# Altium PCB MB1019.PcbDoc (part 4 of 4)
Units mil, origin at the board's own origin, x right, y up, seen from the top; angles counter-clockwise.
Board outline 4655 x 6805 mil, 4 copper layers (TopLayer, VCC, GND, BottomLayer), stack 26.137 mil thick; 557 components, 425 nets, 1918 pads, 817 vias.
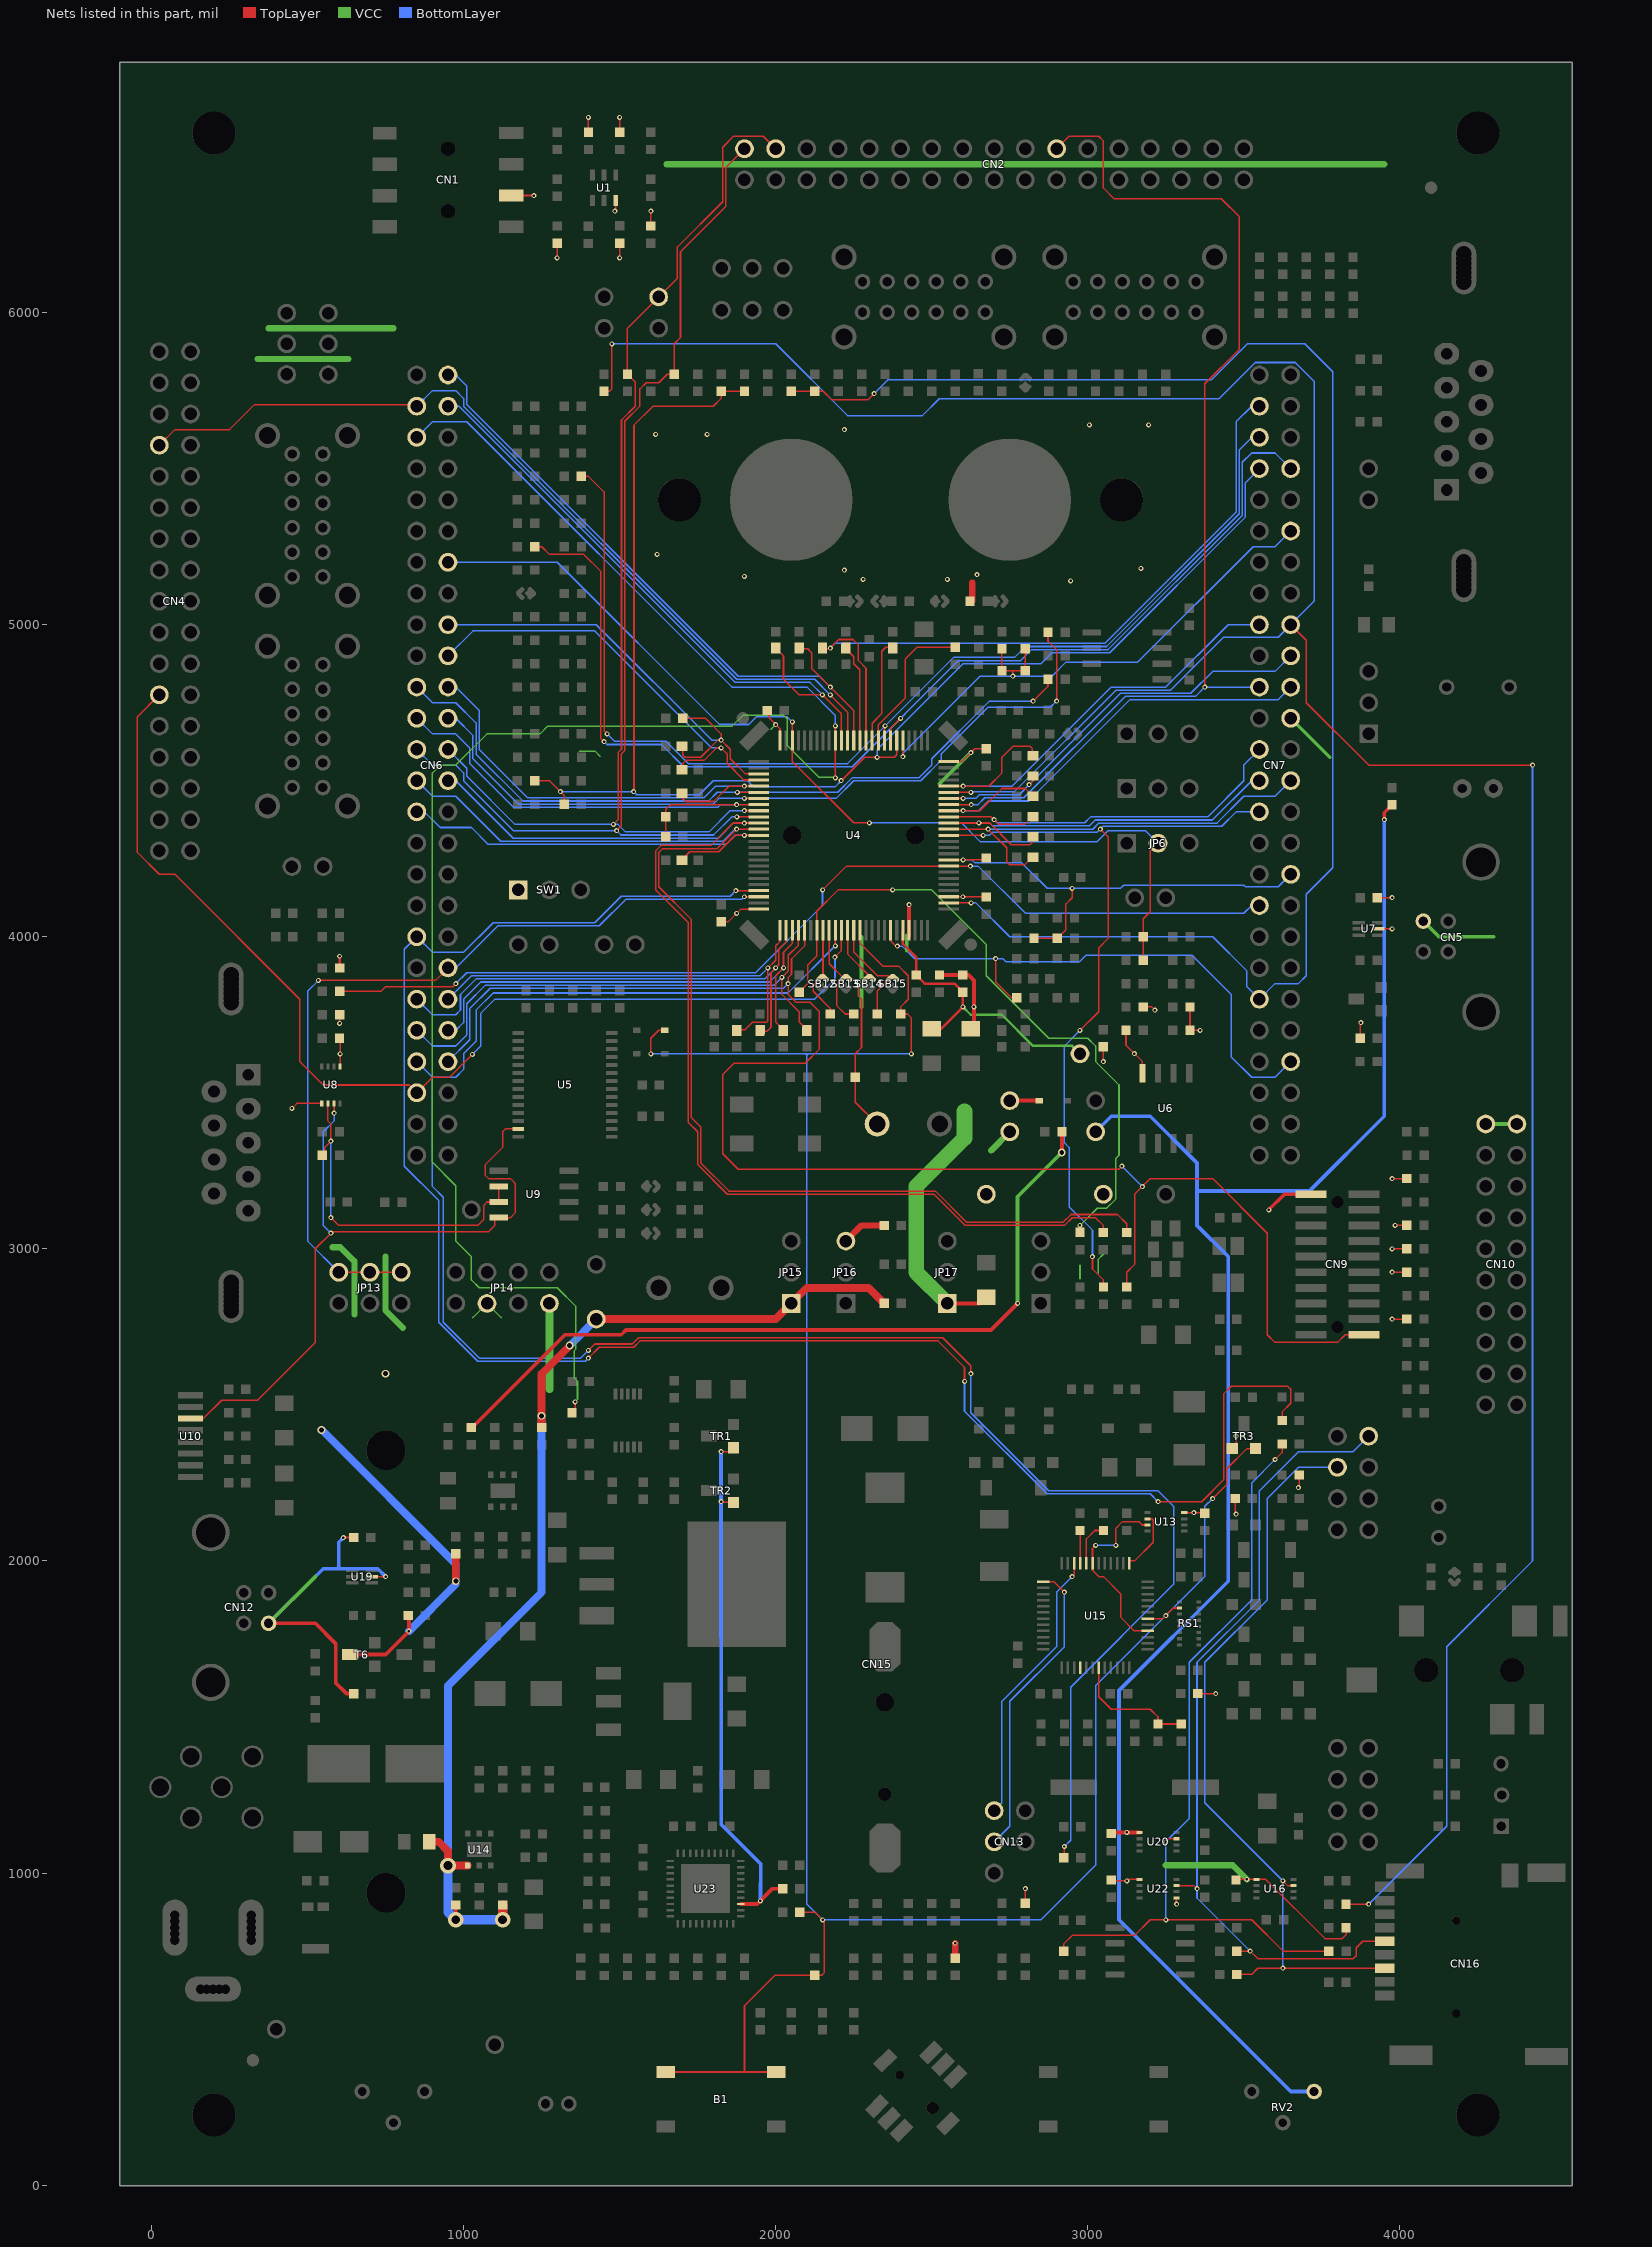
[diagram p6: the nets of this part, all layers, seen from the top]

## Via types
v1: diameter 16, hole 8, TopLayer to BottomLayer, tented both sides, 770 vias
v2: diameter 16, hole 8, TopLayer to BottomLayer, 26 vias
v3: diameter 25, hole 16, TopLayer to BottomLayer, tented both sides, 17 vias
v4: diameter 50, hole 28, TopLayer to BottomLayer, tented both sides, 4 vias

## Nets (pads, with @x,y where several pads share a name; then routed paths per layer and width w, separated by ;. In a path a pad name is that pad's centre, name@x,y a point inside that pad or via, vN(x,y) a via of type N, cw(c..) or ccw(c..) an arc to the next point about the centre after c; other vN are vias at no path point) (continued)
PC4: CN7.35 R177.2 U4.33 | length 3216.3
  TopLayer w5: R177.2@602.5,3825 735,3825 750,3840 965,3840 v1(975,3850) ; v1(2150,4150) 2226.58,4226.58 v1(2623.42,4226.58)
  BottomLayer w5: v1(975,3850) 1010,3885 1935,3885 2150,4100 v1(2150,4150) ; v1(2623.42,4226.58) 2648.42,4226.58 2800,4075 3500,4075 3525,4100 CN7.35@3550,4100
PC5: C33.2 CN7.34 R117.2 R118.2 U4.34 | length 1484.5
  TopLayer w5: U4.34@2554.13,4246.26 C33.2@2673.74,4246.26 ; R117.2@2827.5,3995 2902.5,3995 2930,4022.5 2930,4105 2950,4125 v1(2950,4155)
  BottomLayer w5: v1(2600.32,4246.26) 2628.74,4246.26 2638.42,4236.58 2788.42,4236.58 2870,4155 3105,4155 3115,4165 3500,4165 3505,4160 3610,4160 CN7.34@3650,4200
PC6: CN6.2 R47.2 R48.2 U4.63 | length 2056.3
  TopLayer w5: R48.2@2075,4922.5 2102.5,4922.5 2115,4910 2115,4860 2250,4725 U4.63@2250,4629.13
  BottomLayer w5: CN6.2@950,5800 975,5800 1010,5765 1010,5705 1880,4835 2140,4835 v1(2175,4800)
PC7: CN4.7 CN6.3 U4.64 | length 2796.8
  TopLayer w5: CN4.7@25,5575 75,5625 250,5625 330,5705 CN6.3@835,5705 ; v1(2175.14,4774.86) 2230.31,4719.69 U4.64@2230.31,4629.13
  BottomLayer w5: CN6.3@850,5700 900,5750 975,5750 1000,5725 1000,5700 1875,4825 2125,4825 v1(2175.14,4774.86)
PC8: CN6.4 R49.2 R50.2 U4.65 | length 2012.4
  TopLayer w5: R50.2@2000,4927.5 2000,4925 2025,4900 2025,4825 2075,4775 2149.73,4775 v1(2149.87,4775.13) ; v1@2150,4775 2210.63,4714.37 U4.65@2210.63,4629.13
  BottomLayer w5: CN6.4@950,5700 985,5700 1870,4815 2110,4815 v1(2149.87,4775.13)
PC9: CN6.5 R247.2 U4.66 | length 5848
  TopLayer w5: R247.2@1355,2475 1357.5,2477.5 v1(1357.5,2510) ; v1@2190.94,4510.94 v1(2190.94,4675.31)
  VCC w5: v1(1357.5,2510) 1365,2517.5 1365,2575 1355,2585 1355,2673.91 1360,2678.91 1360,2815 1300,2875 1050,2875 1025,2900 1025,2975 975,3025 975,3202.31 900,3277.31 900,4525 925,4550 975,4550 1075,4650 1245,4650 1270,4675 1860,4675 1895,4710 2025,4710 2036.85,4698.15 2036.85,4613.15 2139.06,4510.94 2190.94,4510.94 v1@2190,4510
  BottomLayer w5: CN6.5@850,5600 900,5650 1010,5650 1860,4800 2100,4800 2190.94,4709.06 v1(2190.94,4675.31)
  other v1: 1357.5,2510 2190.94,4509
PC10: CN6.18 R51.2 R52.2 R129.2 U4.78 | length 1550.6
  TopLayer w5: R52.2@1702.5,4610 1702.5,4582.5 1710,4575 1760,4575 1815,4630 v1(1825,4630) ; R129.2@1702.5,4700 1775,4700 1825,4650 v1(1825,4630) ; U4.78@1945.87,4521.85 1903.15,4521.85 1854.38,4570.62 1854.38,4600.62 v1(1825,4630)
  BottomLayer w5: CN6.18@950,5000 1425,5000 1795,4630 v1(1825,4630)
PC11: CN6.20 R53.2 R54.2 U4.79 | length 1407.7
  TopLayer w5: R54.2@1702.5,4535 1702.5,4555 1712.5,4565 1770,4565 1810,4605 v1(1825,4605) 1844.38,4585.62 1844.38,4555.62 1897.84,4502.17 U4.79@1945.87,4502.17
  BottomLayer w5: CN6.20@950,4900 1030,4980 1420,4980 1795,4605 v1(1825,4605)
PC12: CN6.22 R55.2 R56.2 U4.80 | length 1470.7
  TopLayer w5: R56.2@1702.5,4460 1702.5,4442.5 1711.57,4433.42 1800.94,4433.42 1850,4482.48 U4.80@1945.87,4482.48
  BottomLayer w5: CN6.22@950,4800 975,4800 1050,4725 1050,4600 1205,4445 1770,4445 1807.48,4482.48 v1(1900,4482.48)
PC13: R187.1 R308.2 U4.7 | length 2170.2
  TopLayer w5: R187.1@2075,3822.5 R187.1@2075,3825 ; R187.1@2075.16,3822.62 2103.26,3850.72 2103.26,3910 2131.89,3938.63 2131.89,4081.89 2200,4150 v1(2375,4150) ; R308.2@2975,3052.5 v1(2975,3075)
  VCC w5: v1(2375,4150) 2500,4150 2675,3975 2675,3875 2875,3675 3000,3675 3025,3650 3025,3600 3100,3525 3100,3300 3090,3290 3090,3160 3060,3130 3030,3130 v1(2975,3075)
PC14: R196.2 SB12.1 U4.8 | length 304.2
  TopLayer w5: U4.8@2151.57,4020.87 2151.57,3874.43 2120,3842.85 2120,3825 2175,3770 R196.2@2175,3752.5
PC15: R197.2 SB13.1 U4.9 | length 335.3
  TopLayer w5: U4.9@2171.26,4020.87 2171.26,3913.74 SB13.1@2217,3868 2195,3846 2195,3780 2222.5,3752.5 R197.2@2250,3752.5
PD0: CN6.21 R124.1 U4.81 | length 2487.4
  TopLayer w5: v1(1877.2,4462.8) U4.81@1945.87,4462.8 ; v1(2825,4755) 2872.5,4802.5 R124.1@2872.5,4825
  BottomLayer w5: CN6.21@850,4800 900,4750 975,4750 1040,4685 1040,4585 1190,4435 1785,4435 1812.8,4462.8 2198.65,4462.8 2245.86,4510 2460,4510 2500,4550 2500,4570 2685,4755 v1(2825,4755)
PD1: CN6.24 R105.2 U4.82 | length 2533.5
  TopLayer w5: v1(1900,4443.11) U4.82@1945.87,4443.11 ; R105.2@2872.5,4975 2872.5,4947.5 2900,4920 v1(2900,4755)
  BottomLayer w5: CN6.24@950,4700 975,4700 1030,4645 1030,4570 1175,4425 1800,4425 1818.11,4443.11 2193.11,4443.11 2250,4500 2465,4500 2530,4565 2530,4585 2680,4735 2880,4735 v1(2900,4755)
PD2: CN6.23 R153.1 R165.1 U4.83 | length 1573.3
  TopLayer w5: R165.1@1647.5,4315 1647.5,4407.5 1663.43,4423.42 U4.83@1945.87,4423.42
  BottomLayer w5: CN6.23@850,4700 900,4650 975,4650 1020,4605 1020,4555 1160,4415 1815,4415 1823.43,4423.42 v1(1875,4423.42)
PD3: C10.2 CN2.31 CN6.26 JP2.1 U4.84 | length 3684.7
  TopLayer w5: v1(1480,4360) 1495,4375 1495,4590 1506,4601 1506,5656 1550,5700 1550,5777.5 C10.2@1525,5802.5 1525,5950 1685,6110 1685,6210 1830,6355 1830,6530 1865,6565 1960,6565 CN2.31@2000,6525 ; v1(1900,4403.74) U4.84@1945.87,4403.74
  BottomLayer w5: CN6.26@950,4600 1010,4540 1010,4515 1165,4360 1495,4360 1519.06,4335.94 1785.94,4335.94 1853.74,4403.74 v1(1900,4403.74)
PD4: C12.2 CN2.33 CN6.25 U4.85 | length 3639.5
  TopLayer w5: v1(1490,4340) 1505,4355 1505,4585.86 1516,4596.86 1516,5651.86 1565,5700.86 1565,5755 1585,5775 1625,5775 1652.5,5802.5 C12.2@1675,5802.5 1675,5900 1695,5920 1695,6195 1840,6340 1840,6465 CN2.33@1900,6525 ; v1(1875.94,4384.06) U4.85@1945.87,4384.06
  BottomLayer w5: CN6.25@850,4600 900,4550 975,4550 1000,4525 1000,4500 1160,4340 v1(1490,4340) 1504.06,4325.94 1800.94,4325.94 1859.06,4384.06 v1(1875.94,4384.06)
PD5: CN6.28 R22.1 U4.86 | length 3899.1
  TopLayer w5: U4.86@1945.87,4364.37 1864.37,4364.37 1792.5,4292.5 1632.5,4292.5 1615,4275 1615,4150.71 1720,4045.71 1720,3405 1750,3375 1750,3270 1845,3175 2507.57,3175 2607.57,3075 2925,3075 2950,3100 3025,3100 3050,3075 R22.1@3050,3052.5
  BottomLayer w5: CN6.28@950,4500 975,4500 1159.06,4315.94 1815.94,4315.94 1864.37,4364.37 v1(1900,4364.37)
PD6: CN6.27 R12.1 U4.87 | length 4017.8
  TopLayer w5: U4.87@1945.87,4344.68 v1(1874.69,4344.68) 1812.5,4282.5 1637.5,4282.5 1625,4270 1625,4160 1730,4055 1730,3420 1760,3390 1760,3275 1850,3185 2511.72,3185 2611.72,3085 2920.86,3085 2945.86,3110 3095,3110 3125,3080 R12.1@3125,3052.5
  BottomLayer w5: CN6.27@850,4500 900,4450 975,4450 1119.06,4305.94 1830.94,4305.94 1869.69,4344.68 v1(1874.69,4344.68)
PD7: CN6.29 R57.2 R58.2 U4.88 | length 1379.6
  TopLayer w5: R58.2@1702.5,4250 1725,4272.5 1817.5,4272.5 1870,4325 U4.88@1945.87,4325
  BottomLayer w5: CN6.29@850,4400 875,4400 925,4350 1025,4350 1079.06,4295.94 1840.94,4295.94 1870,4325 v1(1900,4325)
PD8: C22.2 C23.2 CN7.12 R119.1 R123.1 U4.55 | length 1835.3
  TopLayer w5: v1(2407.48,4577.52) U4.55@2407.48,4629.13 ; R123.1@2722.5,4925 2725,4922.5 C22.2@2725,4852.5 C23.2@2800,4852.5 R119.1@2800,4922.5 ; v1(2760,4835) 2760,4852.5
  BottomLayer w5: v1(2407.48,4577.52) 2407.48,4587.48 2655,4835 2885,4835 2930,4880 3160,4880 3530,5250 3600,5250 CN7.12@3650,5300
PD9: C7.2 C26.2 CN7.7 R80.1 R146.1 U4.56 | length 4615.1
  TopLayer w5: R146.1@1227.5,4497.5 1227.5,4500 1275,4500 1322.5,4452.5 C26.2@1322.5,4425 ; v1@1546,4466 1546,5639.43 1606.57,5700 1800,5700 1825,5725 C7.2@1825,5747.5 R80.1@1900,5747.5 ; v1(2210,4500) 2285,4575 2380,4575 2387.79,4582.79 U4.56@2387.79,4629.13
  BottomLayer w5: v1(1310,4465) v1(1545,4465) 1555,4455 1755,4455 1800,4500 1910,4500 1930,4480 2190,4480 v1(2210,4500) ; v1(2325,4575) 2325,4600 2600,4875 2850,4875 2885,4910 3070,4910 3505,5345 3505,5455 CN7.7@3550,5500
PD10: CN7.8 R100.1 U4.57 | length 3648.6
  TopLayer w5: R100.1@1227.5,5250 1250,5250 1275,5225 1385,5225 1440,5170 1440,4635 v1(1450,4625) ; U4.57@2368.11,4629.13 2368.11,4668.11 v1(2400,4700)
  BottomLayer w5: v1(1450,4625) 1459.11,4615.89 1634.11,4615.89 1705,4545 2245,4545 2585,4885 2785,4885 2820,4920 3065,4920 3495,5350 3495,5520 3525,5550 3600,5550 CN7.8@3650,5500
PD11: CN7.5 R92.1 U4.58 | length 3601.6
  TopLayer w5: R92.1@1377.5,5475 1400,5475 1450,5425 1450,4660 v1(1460,4650) ; U4.58@2348.42,4629.13 2348.42,4673.42 v1(2350.29,4675.29)
  BottomLayer w5: v1(1460,4650) 1484.11,4625.89 1649.11,4625.89 1720,4555 2230,4555 2570,4895 2765,4895 2800,4930 3060,4930 3485,5355 3485,5560 3525,5600 CN7.5@3550,5600
PD12: R39.2 R40.2 U4.59 | length 472.1
  TopLayer w5: U4.59@2328.74,4629.13 2328.74,4678.74 2415,4765 2415,4890 2452.5,4927.5 R40.2@2575,4927.5
PD13: R41.2 R42.2 U4.60 | length 338.9
  TopLayer w5: U4.60@2309.05,4629.13 2309.05,4684.05 2340,4715 2340,4915 2352.5,4927.5 R42.2@2375,4927.5
PD14: CN7.3 R45.2 R46.2 U4.61 | length 2316.4
  TopLayer w5: R46.2@2150,4922.5 2172.5,4922.5 2202.38,4952.38 2247.62,4952.38 2265,4935 2265,4885 2289.37,4860.63 U4.61@2289.37,4629.13
  BottomLayer w5: v1(2175,4925) 2190,4940 3055,4940 3475,5360 3475,5650 3525,5700 CN7.3@3550,5700
PD15: R43.2 R44.2 U4.62 | length 311.9
  TopLayer w5: R44.2@2225,4922.5 2250,4897.5 2250,4875 2269.68,4855.32 U4.62@2269.68,4629.13
PE0: CN6.37 R250.1 U4.97 | length 6029.6
  TopLayer w5: v1(1400,2650) 1435,2685 1545,2685 1565,2705 2520,2705 2605,2620 v1(2605,2575) ; v1(1872.16,4147.83) U4.97@1945.87,4147.83 ; v1(3225,2190) 3365,2190 3435,2260 3435,2535 3460,2560 3640,2560 3650,2550 3650,2505 3622.5,2477.5 R250.1@3622.5,2450
  BottomLayer w5: v1(1400,2650) 1390,2640 1045,2640 920,2765 920,3155 810,3265 810,3960 CN6.37@850,4000 900,3950 1000,3950 1095,4045 1420,4045 1505,4130 1854.33,4130 v1(1872.16,4147.83) ; v1(2605,2575) 2605,2480 2870,2215 3200,2215 v1(3225,2190)
PE1: CN6.40 JP13.2 JP13.4 JP13.6 U4.98 | length 2715.5
  TopLayer w5: v1(535,3860) 910,3860 CN6.40@950,3900 ; JP13.2@600,2925 JP13.6@800,2925 ; v1(1899.69,4128.15) U4.98@1945.87,4128.15
  BottomLayer w5: v1(535,3860) 500,3825 500,3025 JP13.2@600,2925 ; CN6.40@950,3900 975,3900 1110,4035 1435,4035 1520,4120 1891.53,4120 v1(1899.69,4128.15) v1@1897.84,4130
PE2: CN6.42 R1.2 R2.2 U4.1 | length 1484.7
  TopLayer w5: R2.2@1875,3702.5 1902.5,3702.5 1926.5,3726.5 1971.5,3726.5 1975,3730 v1(1975,3900) 2000,3925 2000,3971.22 2013.78,3985 U4.1@2013.78,4020.87
  BottomLayer w5: CN6.42@950,3800 1025,3875 1950,3875 v1(1975,3900)
PE3: CN6.41 R3.2 R4.2 U4.2 | length 1633.3
  TopLayer w5: R4.2@1950,3697.5 1972.5,3697.5 1985,3710 1985,3885 2010,3910 2010,3960 2033.46,3983.46 U4.2@2033.46,4020.87
  BottomLayer w5: CN6.41@850,3800 900,3750 975,3750 990,3765 990,3815 1040,3865 1965,3865 v1(2000,3900)
PE4: CN6.44 R5.2 R6.2 U4.3 | length 1552.1
  TopLayer w5: R6.2@2024,3702.5 2000,3726.5 2000,3875 v1(2025,3900) 2025,3950 2053.15,3978.15 U4.3@2053.15,4020.87
  BottomLayer w5: CN6.44@950,3700 975,3700 1000,3725 1000,3800 1055,3855 1980,3855 v1(2025,3900)
PE5: CN6.43 R7.2 R8.2 U4.4 | length 1718.8
  TopLayer w5: U4.4@2072.83,4020.87 2072.83,3972.83 2040.58,3940.58 2040.58,3890.58 v1(2020,3870) 2020,3815 2075,3760 2075,3727.5 2100,3702.5 R8.2@2100,3697.5
  BottomLayer w5: CN6.43@850,3700 900,3650 975,3650 1010,3685 1010,3785 1070,3845 1995,3845 v1(2020,3870)
PE6: CN6.46 CN9.20 R111.2 U4.5 | length 5198.2
  TopLayer w5: U4.5@2092.52,4020.87 2092.52,3970.74 2050.58,3928.8 2050.58,3880 2040,3869.42 2040,3815 2065,3790 2110,3790 2140,3760 2140,3640 2095,3595 1866.57,3595 1830,3558.43 1830,3304.85 1879.85,3255 3099.39,3255 v1(3109.39,3265) ; R111.2@3125,2877.5 3125,2925 3150,2950 3150,3175 3200,3225 3400,3225 3575,3050 3575,2725 3600,2700 3800,2700 3825,2725 CN9.20@3885,2725
  BottomLayer w5: CN6.46@950,3600 1020,3670 1020,3770 1085,3835 2025,3835 v1(2040,3850) ; v1(3109.39,3265) v1(3174.69,3199.69)
PE7: CN7.29 R309.2 U4.38 | length 2614.6
  TopLayer w5: U4.38@2554.13,4325 v1(2665,4325) ; v1(2975,3700) 3035,3760 3035,3964.29 3065,3994.29 3065,4320 v1(3040,4345) ; v1(3015,2975) 3015,2935 3050,2900 R309.2@3050,2877.5
  BottomLayer w5: v1(2665,4325) 2685,4325 2694.68,4334.68 3029.68,4334.68 3049.06,4354.06 3429.06,4354.06 3475,4400 CN7.29@3550,4400 ; v1(2975,3700) 2925,3650 2925,3340 2940,3325 2940,3135 3015,3060 v1(3015,2975)
PE8: CN7.28 R23.2 R24.2 U4.39 | length 1387.5
  TopLayer w5: U4.39@2554.13,4344.68 v1(2680.32,4344.68) 2740,4285 2740,4240 2750,4230 2797.5,4230 R24.2@2822.5,4255
  BottomLayer w5: v1@2680.32,4343.83 v1(2680.32,4344.68) 3015.63,4344.68 3035,4364.06 3414.06,4364.06 3500,4450 3600,4450 CN7.28@3650,4500
PE9: CN7.27 R25.2 R26.2 U4.40 | length 1281.5
  TopLayer w5: U4.40@2554.13,4364.37 v1@2650.63,4364.37 ; v1(2650.63,4365) 2651.26,4364.37 2685.63,4364.37 2755,4295 2815,4295 2822.5,4302.5 R26.2@2822.5,4320
  BottomLayer w5: v1(2650.63,4365) 2685,4365 2695,4355 3005,4355 3024.06,4374.06 3399.06,4374.06 3525,4500 CN7.27@3550,4500
PE10: CN7.25 R27.2 R28.2 U4.41 | length 1269.5
  TopLayer w5: U4.41@2554.13,4384.06 2690.94,4384.06 2715,4360 2797.5,4360 R28.2@2822.5,4385
  BottomLayer w5: v1(2700,4375) 2710,4365 2990,4365 3009.06,4384.06 3384.06,4384.06 3500,4500 3500,4550 CN7.25@3550,4600
PE11: CN7.22 R29.2 R30.2 U4.42 | length 1527.1
  TopLayer w5: U4.42@2554.13,4403.74 2653.74,4403.74 2725,4475 2800,4475 2825,4450 R30.2@2827.5,4450
  BottomLayer w5: v1(2600.32,4403.74) 2650,4403.74 2681.26,4435 2810,4435 3135,4760 3610,4760 CN7.22@3650,4800
PE12: CN2.13 CN7.21 U4.43 | length 3501.6
  TopLayer w5: U4.43@2554.13,4423.42 v1(2626.58,4423.42) ; CN2.13@2900,6525 2940,6565 3035,6565 3050,6550 3050,6399.14 3084.14,6365 3427.57,6365 3485,6307.57 3485,5881.72 3375,5771.72 v1(3375,4800)
  BottomLayer w5: v1(2626.58,4423.42) 2648.42,4423.42 2670,4445 2795,4445 3120,4770 3345,4770 v1(3375,4800) CN7.21@3550,4800
PE13: CN7.20 R31.2 R32.2 U4.44 | length 1318.9
  TopLayer w5: U4.44@2554.13,4443.11 v1(2600.32,4443.11) ; v1(2812.12,4487.72) 2827.5,4503.1 R32.2@2827.5,4515
  BottomLayer w5: v1(2600.32,4443.11) 2640.94,4443.11 2652.83,4455 2780,4455 v1@2812.42,4487.42 ; v1(2812.12,4487.72) 2812.72,4487.72 3105,4780 3330,4780 3400,4850 3600,4850 CN7.20@3650,4900
PE14: CN7.18 R136.1 R140.2 U4.45 | length 9761.6
  TopLayer w5: R136.1@1450,5747.5 1467.5,5747.5 1475,5755 v2(1475,5900) ; U4.45@2554.13,4462.8 v1(2625.32,4462.8) ; CN7.18@3650,5000 3700,4950 3700,4750 3900,4550 v2(4425,4550) ; R140.2@3827.5,900 v2(3900,900)
  BottomLayer w5: v2(1475,5900) 2000,5900 2230,5670 2470,5670 2524,5724 3420.42,5724 3536.42,5840 3665,5840 3725,5780 3725,5075 3610,4960 3435,4960 3265,4790 3090,4790 2765,4465 2627.52,4465 v1(2625.32,4462.8) ; v2(3900,900) 4150,1150 4150,1725 4425,2000 v2(4425,4550)
PE15: CN7.17 R33.2 R34.2 U4.46 | length 1540.1
  TopLayer w5: U4.46@2554.13,4482.48 2682.48,4482.48 2725,4525 2725,4575 2760,4610 2815,4610 2822.5,4602.5 R34.2@2822.5,4580
  BottomLayer w5: v1(2600.32,4482.48) 2757.48,4482.48 3075,4800 3250,4800 3450,5000 CN7.17@3550,5000
PF0: C51.1 SB14.1 U4.12 X2.2 | length 695.3
  TopLayer w5: U4.12@2230.31,4020.87 2230.31,3944.69 SB14.1@2300,3875 ; SB14.1@2292,3868 2265,3841 2265,3810 2275,3800 2275,3645 2255,3625 2255,3470 X2.2@2325,3400
PF1: R205.1 SB15.1 U4.13 | length 354.1
  TopLayer w5: U4.13@2250,4020.87 2250,3951 2326,3875 2360,3875 SB15.1@2367,3868 2325,3826 R205.1@2325,3752.5
PF2: CN7.46 R11.1 U4.19 | length 1814.8
  TopLayer w5: U4.19@2368.11,4020.87 2368.11,3986.89 2385,3970 v1(2390,3970) ; v1(2705,3930) 2705,3855 2755,3805 R11.1@2772.5,3805
  BottomLayer w5: v1(2390,3970) 2405,3970 2445.68,3929.32 2704.32,3929.32 v1(2705,3930) ; v1@2705,3929.32 2728.25,3929.32 2737.57,3920 2973.28,3920 2993.28,3940 3335,3940 3460,3815 3460,3615 3525,3550 3600,3550 CN7.46@3650,3600
PF4: C8.2 CN7.41 R82.2 U4.27 | length 5162.4
  TopLayer w5: R82.2@2050,5747.5 2152.5,5747.5 2180,5720 2295,5720 v1(2315,5740) ; U4.27@2554.13,4108.47 v1(2626.53,4108.47)
  BottomLayer w5: v1(2315,5740) 2359,5784 3395.57,5784 3511.57,5900 3695,5900 3785,5810 3785,4220.86 3700,4135.86 3700,3875 3675,3850 3600,3850 CN7.41@3550,3800 3510,3840 3510,3890 3400,4000 2750,4000 2641.53,4108.47 v1(2626.53,4108.47)
PF6: CN6.14 JP6.2 R179.2 R180.2 U4.73 | length 3166.2
  TopLayer w5: v1(2053.15,4688.15) 2053.15,4561.85 2250,4365 v1(2300,4365) ; R179.2@3177.5,3925 3177.5,4057.5 3200,4080 3200,4275 JP6.2@3225,4300
  BottomLayer w5: CN6.14@950,5200 1300,5200 1820,4680 1913.43,4680 1938.43,4705 2036.3,4705 v1(2053.15,4688.15) ; v1(2300,4365) 2595,4365 2655,4305 3030,4305 3065,4340 3185,4340 JP6.2@3225,4300
PF9: CN6.45 R303.2 U4.10 | length 6467.6
  TopLayer w5: v1(1400,2675) 1420,2695 1540,2695 1560,2715 2535,2715 2625,2625 v1(2625,2600) ; v1(2190.94,3970.94) U4.10@2190.94,4020.87 ; R303.2@2925,1051.79 v2(2925,1085)
  BottomLayer w5: CN6.45@850,3600 900,3550 ; v1(1400,2675) 1375,2650 1050,2650 935,2765 935,3165 900,3200 900,3550 ; v1(2190.94,3970.94) 2039.78,3819.78 1094.78,3819.78 1040,3765 1040,3665 1000,3625 1000,3575 975,3550 900,3550 ; v1(2625,2600) 2625,2475 2875,2225 3225,2225 3275,2175 3275,1925 2945,1595 2945,1105 v2(2925,1085)